# KiCad board FrontEnd_5G.kicad_pcb (continued)
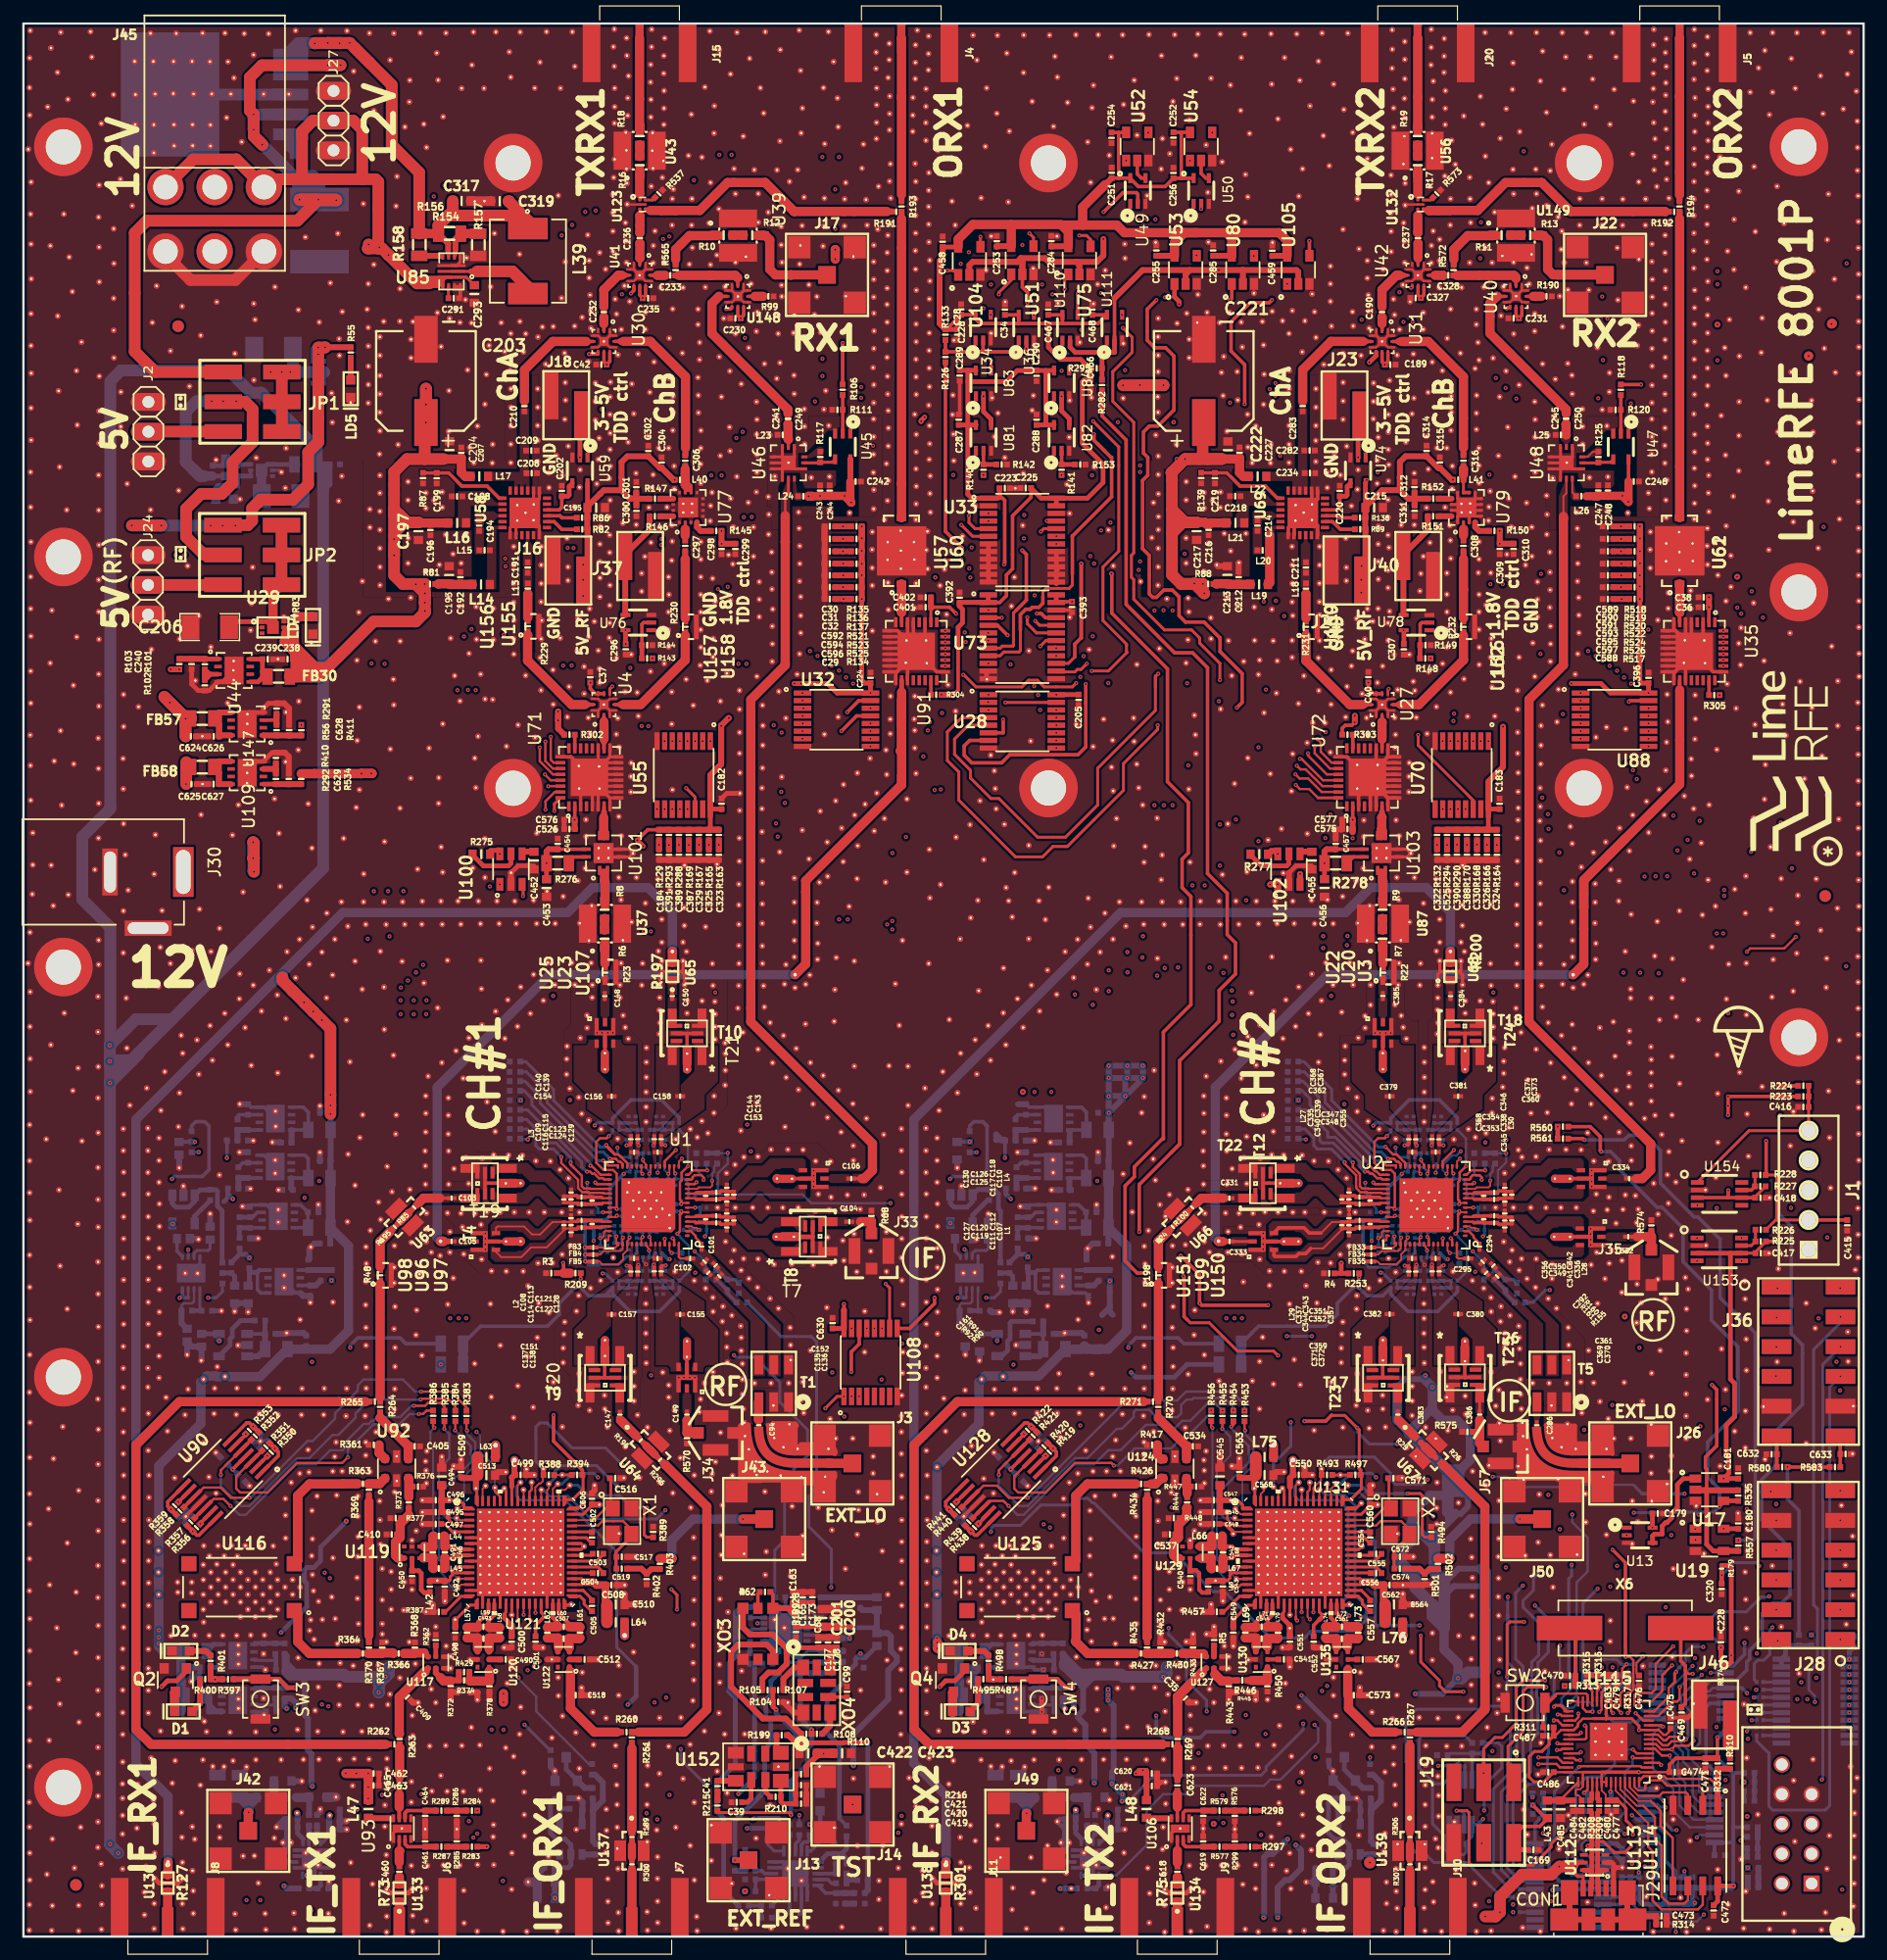
[diagram p0: board, top side]
## Routing (per net, layer and track width the routed paths; a pad name or vN(x,y) marks a point on that pad's centre or on a via; arc(x,y) is an arc through that point) (continued)
/LMS8001_RF/IN_B2_#1: length 1.3
  F.RO w0.3: C125.1 59.5,62.98 60,62.98 C110.1 L4.2
/LMS8001_RF/IN_B2_#2: length 1.3
  F.RO w0.3: C353.1 125.93,62.98 126.43,62.98 C338.1 L30.2
/LMS8001_RF/IN_B3_#1: length 1.3
  F.RO w0.3: C126.1 59.55,63.63 60.02,63.63 C110.2 L4.1
/LMS8001_RF/IN_B3_#2: length 1.3
  F.RO w0.3: C354.1 125.98,63.63 126.45,63.63 C338.2 L30.1
/LMS8001_RF/IN_C2_#1: length 1.3
  F.RO w0.3: C123.1 47.25,63.23 46.8,63.23 C109.1 46.75,63.18 46.16,63.18 L3.2
/LMS8001_RF/IN_C2_#2: length 1.3
  F.RO w0.3: C347.1 113.68,63.23 113.23,63.23 C335.1 113.18,63.18 112.58,63.18 L27.2
/LMS8001_RF/IN_C3_#1: length 1.3
  F.RO w0.3: 47.39,62.51 47.31,62.58 46.81,62.58 46.76,62.64 46.15,62.64
/LMS8001_RF/IN_C3_#2: length 1.3
  F.RO w0.3: C348.1 113.74,62.58 113.24,62.58 113.19,62.64 112.58,62.64
/LMS8001_RF/IN_D1_#2: length 1.7
  F.RO w0.25: C333.2 103.29,59.32 T13.2
/LMS8001_RF/IN_D2_#1: length 8.3
  F.RO w0.15: C108.1 46.75,60.98 45.18,60.98 44.12,59.92 43.43,59.92 42.75,60.6 40.47,60.6 40.36,60.49 T2.4
  F.RO w0.3: 47.39,61.11 47.3,61.03 46.8,61.03 C108.1
/LMS8001_RF/IN_D2_#2: length 7.9
  F.RO w0.15: 110.8,60.04 111.74,60.99 L29.2
  F.RO w0.3: C351.1 113.73,61.03 113.23,61.03 C337.1 113.18,60.99 112.58,60.99 L29.2 ; 110.8,60.04 109.8,60.04 109.35,60.49 107.2,60.49 106.79,60.08 106.79,60.03
/LMS8001_RF/IN_D3_#1: length 8.5
  F.RO w0.15: C108.2 46.3,60.44 44.69,58.82 43.35,58.82 42.52,57.99 40.79,57.99 40.36,58.43 T2.6
  F.RO w0.3: 47.39,60.51 47.25,60.38 46.81,60.38 C108.2
/LMS8001_RF/IN_D3_#2: length 8.7
  F.RO w0.15: 109.93,58.73 110.98,58.73 112.58,60.33 L29.1
  F.RO w0.3: 109.93,58.73 109.49,58.29 108.92,58.29 108.67,58.04 106.88,58.04 106.79,58.14 106.79,58.61 ; L29.1 112.58,60.43 113.18,60.43 C337.2 113.24,60.38 113.68,60.38 C352.1
/LMS8001_RF/OUT_A1_#2: length 1.6
  F.RO w0.25: T26.4 124.35,46.4 C386.1
/LMS8001_RF/OUT_A4_#1: length 0.9
  F.RO w0.2: v2(53.83,57.35) 53.86,57.32 C135.1
  B2.RO w0.2: v2(53.83,57.35) 53.68,57.2 L7.2
/LMS8001_RF/OUT_A4_#2: length 1
  F.RO w0.2: 120.41,59.11 120.41,59.01 ; C369.1 120.29,57.33 v2(120.27,57.35)
  B2.RO w0.2: v2(120.27,57.35) 120.12,57.2 L31.2
/LMS8001_RF/OUT_A5_#1: length 1.1
  F.RO w0.2: v2(54.84,57.28) 54.49,57.28 54.45,57.24 C136.1
  B2.RO w0.2: v2(54.84,57.28) 54.64,57.08 L11.2
/LMS8001_RF/OUT_A5_#2: length 1
  F.RO w0.2: C370.1 121.11,57.28 v2(121.28,57.28)
  B2.RO w0.2: v2(121.28,57.28) 121.08,57.08 L35.2
/LMS8001_RF/OUT_B4_#1: length 1.1
  F.RO w0.2: v2(54.81,67.53) 54.46,67.53 54.45,67.54 C143.1
  B2.RO w0.2: v2(54.81,67.53) 54.62,67.72 L5.2
/LMS8001_RF/OUT_B4_#2: length 1.2
  F.RO w0.2: v2(121.25,67.53) 120.83,67.53 120.87,67.57 C373.1
  B2.RO w0.2: v2(121.25,67.53) 121.06,67.72 L32.2
/LMS8001_RF/OUT_B5_#1: length 0.8
  F.RO w0.2: v2(53.8,67.53) 53.87,67.6 C144.1
  B2.RO w0.2: v2(53.8,67.53) 53.79,67.54 53.79,67.87 L9.2
/LMS8001_RF/OUT_B5_#2: length 0.8
  F.RO w0.2: C374.1 120.28,67.57 v2(120.24,67.53)
  B2.RO w0.2: v2(120.24,67.53) 120.23,67.54 120.23,67.87 L36.2
/LMS8001_RF/OUT_C4_#1: length 0.9
  F.RO w0.15: U1.24 U1.24
  F.RO w0.2: v2(52.53,67.52) 52.53,67.7 C139.1
  B2.RO w0.2: v2(52.53,67.52) 52.53,67.88 L6.2
/LMS8001_RF/OUT_C4_#2: length 0.8
  F.RO w0.2: v2(118.97,67.52) 118.88,67.61 C367.1
  B2.RO w0.2: v2(118.97,67.52) 118.97,67.79 118.96,67.79 118.96,67.87 L33.2
/LMS8001_RF/OUT_C5_#1: length 1.2
  F.RO w0.2: v2(51.5,67.52) 51.51,67.53 51.85,67.53 51.85,67.75 C140.1
  B2.RO w0.2: v2(51.5,67.52) 51.68,67.7 L10.2
/LMS8001_RF/OUT_C5_#2: length 1.1
  F.RO w0.2: v2(117.94,67.52) 117.95,67.53 118.25,67.53 118.3,67.58 C368.1
  B2.RO w0.2: v2(117.94,67.52) 118.12,67.7 L37.2
/LMS8001_RF/OUT_D4_#1: length 1.1
  F.RO w0.2: v2(51.51,57.26) 51.53,57.28 51.79,57.28 51.86,57.21 C137.1
  B2.RO w0.2: v2(51.51,57.26) 51.69,57.08 L8.2
/LMS8001_RF/OUT_D4_#2: length 1.1
  F.RO w0.2: C371.1 118.3,57.25 118.29,57.26 v2(117.95,57.26) ; 118.41,59.01 118.39,58.99
  B2.RO w0.2: v2(117.95,57.26) 118.13,57.08 L34.2
/LMS8001_RF/OUT_D5_#1: length 0.9
  F.RO w0.2: v2(52.51,57.33) 52.45,57.27 C138.1
  B2.RO w0.2: v2(52.51,57.33) 52.65,57.19 L12.2
/LMS8001_RF/OUT_D5_#2: length 0.9
  F.RO w0.2: C372.1 118.88,57.26 v2(118.95,57.33)
  B2.RO w0.2: v2(118.95,57.33) 119.09,57.19 L38.2
/LMS8001_RF/SD_AMP1_3V3: length 59.8
  F.RO w0.25: v2(68.47,45.09) 69.49,46.1 v2(70.06,46.1)
  F.FR4 w0.25: v2(55.17,12.09) 49.15,12.09 48.11,11.05 42.18,11.05 41.88,10.75 v2(38.75,10.75)
  B.FR4 w0.25: v2(55.17,12.09) 55.69,12.61 56.58,12.61 57.13,13.17 57.13,14.05 58.99,15.91 60.14,15.91 60.99,16.75 60.99,17.91 62.21,19.13 62.21,25.23 61.41,26.03 61.41,30.86 62.62,32.07 62.62,33.1 65.22,35.69 66.02,35.69 67.07,36.74 67.07,43.7 68.45,45.09 v2(68.47,45.09)
  B2.RO w0.25: 70.06,46.1 v2(70.06,46.1)
/LMS8001_RF/SD_AMP2_3V3: length 75.1
  F.RO w0.4: v2(105.78,10.75) R298.2
  F.FR4 w0.25: 87.12,8.79 85.88,7.55 82.69,7.55 81.54,8.7 80.71,8.7 79.47,9.94 76.83,9.94 76.47,10.3 v2(74.99,10.3)
  F.FR4 w0.3: 91.81,7.85 90.87,8.79 87.12,8.79
  F.FR4 w0.4: v2(105.68,8.68) 105.34,8.33 96.71,8.33 96.23,7.85 91.81,7.85
  B.FR4 w0.25: v2(74.99,10.3) 74.07,11.22 74.07,13.3 74.99,14.22 74.99,14.78 74.06,15.71 74.06,16.88 74.07,16.88 74.07,22.59 74.06,22.59 74.06,22.8 74.8,23.54 74.8,23.9 74.07,24.63 74.07,28.15 74.76,28.84 74.76,29.58 74.07,30.27 74.07,43.4 v2(71.36,46.1)
  B.FR4 w0.4: v2(105.78,10.75) 105.68,10.65 v2(105.68,8.68)
  B2.RO w0.25: 71.37,46.1 v2(71.36,46.1)
/LMS8001_RF/sheet6298A0DD/RF_IN: length 1.2
  F.RO w0.5: R75.1 98.54,4.48 C618.2 98.53,5.07
  F.RO w0.79: C618.2 98.53,5.07 R75.1
/LMS8001_RF/sheet6298A0DD/RF_OUT: length 5.4
  F.RO w0.5: R268.1 98.56,13.38 C623.1
  F.RO w0.79: 98.56,13.8 98.57,13.8 98.57,16.09 98.56,16.1
/LMS8001_RF/sheet62981941/RF_IN: length 0.6
  F.RO w0.5: 32.09,5.07 C460.2
  F.RO w0.79: R73.1 C460.2
/LMS8001_RF/sheet62981941/RF_OUT: length 3.4
  F.RO w0.5: C465.1 32.12,13.38 32.12,13.93 ; 32.12,16.11 R262.1
  F.RO w0.79: 32.12,16.13 32.12,13.67
/LMS98001_GPIO/CORE_LDO_EN_#1: length 14.3
  F.RO w0.2: v2(55.44,59.59) 55.56,59.47 U1.55
  F.RO w0.3: v2(46.09,57.49) 46.12,57.46 46.12,56.62
  F.RO w0.4: R3.2 46.12,56.62
  F.RO w0.79: 46.12,56.62 R209.1
  F.FR4 w0.2: v2(46.09,57.49) 46.1,57.49 47.29,58.68 47.29,59.86 47.93,60.5 53.89,60.5 54.4,59.99 55.04,59.99 v2(55.44,59.59)
/LMS98001_GPIO/CORE_LDO_EN_#2: length 14.3
  F.RO w0.2: v2(121.88,59.59) 122,59.47 U2.55
  F.RO w0.4: 112.52,56.6 112.52,57.46 v2(112.54,57.48) ; 112.52,56.6 R253.1 ; 112.52,56.6 R4.2
  F.FR4 w0.15: 120.22,60.51 120.93,60.51 121.44,60 121.56,60 121.88,59.68 v2(121.88,59.59)
  F.FR4 w0.2: 112.54,57.43 v2(112.54,57.48) 113.71,58.65 113.71,59.47 114.75,60.51 120.22,60.51
/LMS98001_GPIO/LMS_GPIO0_#1: length 15.2
  F.RO w0.2: 49.87,67.39 50.52,66.74 50.8,66.74 51.01,66.53 51.04,66.53 51.56,66.01 U1.26
  F.RO w0.25: 50.09,67.17 49.87,67.39 ; 50.09,67.17 50.5,66.75 ; 50.09,67.17 49.77,67.49 v2(49.77,67.55)
  B2.RO w0.25: 49.24,67.39 48.99,67.64 ; 49.24,67.39 49.61,67.39 v2(49.77,67.55) ; 49.24,67.39 48.99,67.64 ; 48.99,67.64 45.27,71.36 45.27,72.3 42.9,74.67 R250.2
/LMS98001_GPIO/LMS_GPIO0_#2: length 13.5
  F.RO w0.2: v2(116.31,67.39) 116.96,66.74 117.27,66.74 118,66.01 U2.26
  B2.RO w0.25: R281.2 109.34,74.67 111.71,72.3 111.71,71.36 115.68,67.39 v2(116.31,67.39)
/LMS98001_GPIO/LMS_GPIO1_#1: length 12.6
  F.RO w0.2: v2(50.08,66.38) 50.58,66.38 50.84,66.12 50.98,66.12 51.16,65.94 U1.27
  B2.RO w0.25: R249.2 42.94,73.8 44.72,72.02 44.72,71.17 48.95,66.94 49.52,66.94 v2(50.08,66.38)
/LMS98001_GPIO/LMS_GPIO1_#2: length 12.6
  F.RO w0.2: v2(116.52,66.38) 117.02,66.38 117.28,66.12 117.42,66.12 117.6,65.94 U2.27
  B2.RO w0.25: R280.2 109.38,73.8 111.16,72.02 111.16,71.18 114.64,67.7 114.64,67.69 115.39,66.94 115.96,66.94 v2(116.52,66.38)
/LMS98001_GPIO/LMS_GPIO2_#1: length 10.9
  F.RO w0.2: v2(48.41,65.78) 48.51,65.78 49.28,65.01 U1.29
  B2.RO w0.25: v2(48.41,65.78) 48.41,65.98 43.42,70.97 43.42,71.52 42.75,72.19 R248.2
/LMS98001_GPIO/LMS_GPIO2_#2: length 11
  F.RO w0.2: v2(114.85,65.78) 114.96,65.78 115.42,65.32 115.52,65.32 115.83,65.01 U2.29
  B2.RO w0.25: 109.43,71.95 109.86,71.52 109.86,70.97 114.85,65.98 v2(114.85,65.78) ; 109.43,71.95 109.44,71.94 ; 109.43,71.95 109.19,72.19 R279.2
/LMS98001_GPIO/LMS_GPIO3_#1: length 11.8
  F.RO w0.2: U1.28 U1.28 49.93,65.81 v2(49.52,66.22)
  B2.RO w0.2: v2(49.52,66.22) 49.51,66.23
  B2.RO w0.25: R247.2 42.82,73 44.14,71.68 44.14,71.11 49.03,66.22 v2(49.52,66.22)
/LMS98001_GPIO/LMS_GPIO3_#2: length 11.8
  F.RO w0.2: v2(115.96,66.22) 116.37,65.81 U2.28
  B2.RO w0.25: 110.79,70.9 110.73,70.96 110.74,70.95 ; 110.74,70.95 110.58,71.11 110.58,71.68 109.26,73 R274.2 ; 110.74,70.95 115.47,66.22 v2(115.96,66.22)
/LMS98001_GPIO/LMS_GPIO4_#1: length 13.5
  F.RO w0.15: 50.18,64.21 U1.31
  F.RO w0.2: v2(48.83,64.35) 48.97,64.21 U1.31
  F.FR4 w0.25: v2(42.46,71.37) 42.48,71.39 v2(46.67,71.39)
  B.FR4 w0.25: v2(46.67,71.39) 46.67,70.27 48.83,68.11 48.83,66.98 48.9,66.91 48.9,65.34 48.83,65.27 v2(48.83,64.35)
/LMS98001_GPIO/LMS_GPIO4_#2: length 13.2
  F.RO w0.2: v2(115.27,64.35) 115.41,64.21 U2.31
  F.FR4 w0.25: v2(108.87,71.38) 112.45,71.38 v2(112.79,71.03)
  B.FR4 w0.25: v2(112.79,71.03) 112.79,70.59 115.27,68.11 115.27,66.16 115.5,65.93 115.5,65.41 115.27,65.18 v2(115.27,64.35)
/LMS98001_GPIO/LMS_GPIO5_#1: length 10.5
  F.RO w0.2: v2(48.12,65.29) 48.38,65.29 48.56,65.11 48.76,65.11 49.16,64.71 49.49,64.71 49.59,64.61 U1.30
  B2.RO w0.25: R244.2 43.03,70.56 44.93,68.66 44.93,68.22 45.57,68.22 47.67,66.12 47.67,65.7 48.08,65.29 v2(48.12,65.29)
/LMS98001_GPIO/LMS_GPIO5_#2: length 10.5
  F.RO w0.2: U2.30 116.04,64.61 116.02,64.63 116.01,64.63 115.93,64.71 115.6,64.71 115.2,65.11 115,65.11 114.82,65.29 v2(114.56,65.29)
  B2.RO w0.25: v2(114.56,65.29) 114.52,65.29 114.11,65.7 114.11,66.12 112.01,68.22 111.37,68.22 111.37,68.66 109.47,70.56 R272.2
/LMS98001_GPIO/LMS_GPIO6_#1: length 11.7
  F.RO w0.2: 46.73,65.88 46.98,65.63 ; 46.73,65.88 v2(46.73,66.07) 46.73,65.88 ; 46.73,65.88 46.98,65.63 ; 46.98,65.63 47.68,64.93 47.68,64.04 47.88,63.84 48.39,63.84 48.42,63.81 U1.32
  B2.RO w0.25: v2(46.73,66.07) 46.74,66.08 46.74,66.46 45.47,67.73 44.45,67.73 44.25,67.93 44.25,68.45 42.96,69.74 R214.2
/LMS98001_GPIO/LMS_GPIO6_#2: length 11.1
  F.RO w0.2: v2(113.52,66.06) 113.52,65.67 114.12,65.07 114.12,64.04 114.32,63.84 114.83,63.84 114.86,63.81 U2.32
  B2.RO w0.25: 113.17,66.41 v2(113.52,66.06) ; 113.17,66.41 111.85,67.73 110.89,67.73 110.69,67.93 110.69,68.45 109.4,69.74 R258.2 ; 113.17,66.41 113.17,66.41
/LMS98001_GPIO/LMS_GPIO7_#1: length 11
  F.RO w0.2: 48,63.52 48.28,63.52 48.33,63.47 49.51,63.47 49.57,63.41 U1.33 ; 48,63.52 47.92,63.52 ; 48,63.52 47.73,63.52 47.36,63.89 47.36,64.58 45.93,66.01 v2(45.93,66.52)
  B2.RO w0.25: R213.2 43,68.92 43.75,68.17 43.75,67.51 44.05,67.21 45.25,67.21 45.93,66.53 v2(45.93,66.52)
/LMS98001_GPIO/LMS_GPIO7_#2: length 10.9
  F.RO w0.2: U2.33 116.01,63.41 115.95,63.47 114.77,63.47 114.72,63.52 114.17,63.52 113.8,63.89 113.8,64.97 112.82,65.95 v2(112.82,66.08)
  B2.RO w0.25: R257.2 109.44,68.92 110.19,68.17 110.19,67.51 110.49,67.21 111.69,67.21 v2(112.82,66.08)
/LMS98001_GPIO/LMS_GPIO8_#1: length 48.1
  F.RO w0.15: 55.96,65.91 U1.15 ; U1.15 U1.15 ; U1.15 55.96,66.13 v2(56.22,66.39)
  F.RO w0.25: v2(43.08,68.03) 43.06,68.03 v2(43.05,68.04)
  F.FR4 w0.25: 45.19,80.28 v2(45.23,80.28) 45.6,80.65 55.23,80.65 55.3,80.58 59.06,80.58 v2(59.07,80.57)
  B.FR4 w0.25: v2(59.07,80.57) 59.78,79.86 59.78,77.4 61.14,76.04 61.14,71.94 59.56,70.37 59.56,68.73 57.23,66.39 v2(56.22,66.39) ; 44.92,68.03 45.23,68.34 45.23,68.28 ; 45.23,68.28 44.98,68.03 v2(43.08,68.03) ; 45.23,68.28 v2(45.23,80.28)
  B2.RO w0.25: v2(43.05,68.04) 42.49,68.04 R212.2 42.5,68.03
/LMS98001_GPIO/LMS_GPIO8_#2: length 47.7
  F.RO w0.15: 122.41,65.72 122.41,65.81 ; v2(122.66,66.39) 122.42,66.15 122.42,65.83 U2.15
  F.FR4 w0.25: v2(125.51,80.57) 125.5,80.58 121.74,80.58 121.67,80.65 112.04,80.65 v2(111.67,80.28)
  B.FR4 w0.2: 127.58,74.62 127.58,71.14 ; v2(122.66,66.39) 123.73,66.39
  B.FR4 w0.25: 127.58,74.62 127.58,76.04 127.13,76.49 127.13,78.09 126.22,79 126.22,79.86 v2(125.51,80.57) ; 127.58,71.14 125.84,69.41 125.84,67.96 124.28,66.39 123.73,66.39 ; v2(111.67,80.28) 111.67,68.33 111.37,68.03 v2(109.51,68.03)
  B2.RO w0.25: v2(109.51,68.03) 109.5,68.04 108.92,68.04 R256.2
/RF/DA1_A/RF_in: length 2
  F.RO w0.79: L13.2 43.07,114.59 U156.2
/RF/DA1_A/RF_out: length 9.5
  F.RO w0.3: 48.05,136.13 U30.5
  F.RO w0.79: C210.2 42.78,133.7 45.21,136.13 48.05,136.13
/RF/DA1_A\da1_b_CTRL_3V3: length 37.2
  F.RO w0.3: v1(70.34,104.49) 71.33,105.48 U32.15
  F.FR4 w0.25: 76.79,104.43 76.8,104.42 v1(78.44,104.42)
  F.FR4 w0.3: 75.2,104.61 73.33,104.61 72.84,104.12 71.56,104.12 71.19,104.49 v1(70.34,104.49) ; 75.2,104.61 75.39,104.61 ; 75.2,104.61 76.61,104.61 76.79,104.43 ; v1(79.4,124.73) v1(81.98,124.73)
  B.FR4 w0.25: 80.13,112.5 80.13,113.29 78.95,114.47 78.95,115.49 79.4,115.94
  B.FR4 w0.3: 79.39,123.08 79.4,123.09 79.4,123.58 ; 79.4,123.58 v1(79.4,124.73) ; 79.4,123.58 79.4,115.94 ; v1(78.44,104.42) 77.5,105.36 77.5,106.79 78.41,107.7 79.29,107.7 79.74,108.15 79.74,112.11 80.13,112.5
/RF/DA1_A_EN_3V3: length 44.5
  F.RO w0.25: v1(83.29,140.15) 83.29,140.31 84.35,141.37 U51.1 ; 88.23,105.3 U28.15 88.19,105.32 v1(83.85,105.32)
  B.FR4 w0.25: v1(83.85,105.32) 84.52,105.32 85.34,106.14 85.34,110.15 85.54,110.35 85.54,111.74 85.18,112.1 85.18,115.23 85.41,115.46 85.41,116.92 83.39,118.94 83.39,122.06 82.68,122.77 82.68,124.97 82.28,125.37 82.28,130.01 83.32,131.05 83.32,131.82 83.29,131.85 v1(83.29,140.15)
/RF/DA1_A_ON\off_3V3: length 45.9
  F.RO w0.25: U51.4 86.25,145 v1(85.9,145.35)
  F.RO w0.3: v1(84.04,111.06) 84.03,111.06 83.18,111.91 U73.5
  F.FR4 w0.25: v1(85.43,119.32) 84.66,118.55 v1(80.97,118.55)
  B.FR4 w0.25: 83.18,125.41 83.18,125.08 ; 83.18,125.41 83.18,126.88 83.87,127.57 83.87,136.25 84.4,136.78 84.4,144.59 85.16,145.35 v1(85.9,145.35) ; 83.18,125.41 83.18,125.03 84.01,124.2 84.01,122.62 84.38,122.25 84.38,121.72 ; 84.38,121.72 84.38,121.65 ; 84.38,121.72 84.38,120.38 85.43,119.33 v1(85.43,119.32) ; v1(80.97,118.55) 81.32,118.55 83.35,116.52 83.35,115.23 83.69,114.89 83.69,113.32 84.04,112.97 v1(84.04,111.06)
/RF/DA1_A_ON\off_5V: length 74.5
  F.RO w0.25: v1(85.72,112.59) 85.72,112.04 86.51,111.25 U73.19
  F.RO w0.4: v1(47.52,126.23) 47.52,129.79 J18.2
  F.FR4 w0.3: 67.16,133.18 66.57,132.59 65.39,132.59 63.07,130.27 62.11,130.27 61.75,129.91 59.69,129.91 59.08,129.3 53.39,129.3 52.24,128.15 51.07,128.15 50.41,127.49 49.71,127.49 48.45,126.23 v1(47.52,126.23) ; 67.16,133.18 67.6,133.18 ; 67.16,133.18 v1(68.23,133.18) ; v1(86.16,134.59) 84.18,134.59 83.23,135.54 78.88,135.54 78.41,136.01 76.9,136.01 76.37,135.48 75.83,135.48 75.76,135.55 73.52,135.55 72.62,134.65 v1(68.23,134.65)
  B.FR4 w0.3: v1(68.23,133.18) v1(68.23,134.65) ; v1(86.16,134.59) 86.16,133.58 85.44,132.86 85.44,125.56 86.16,124.84 86.16,115.33 85.72,114.89 v1(85.72,112.59)
/RF/DA1_A_SEL: length 63.1
  F.RO w0.25: v1(50.28,106.69) 50.07,106.48 U4.7 ; v1(82.62,134.52) 82.63,134.51 U83.4
  F.FR4 w0.25: 76.98,134.52 76.25,133.79 73.31,133.79 72.77,133.25 71.95,133.25 71.31,133.89 65.4,133.89 65.06,133.55 63.64,133.55 60.77,130.68 49.69,130.68 v1(49.36,130.35) ; 76.98,134.52 76.99,134.53 77.01,134.53 ; 76.98,134.52 82.61,134.52 v1(82.62,134.52)
  B.FR4 w0.25: 49.69,125.81 49.51,125.62 49.51,120.93 49.91,120.53 49.91,120.15 49.41,119.65 49.41,119.39 49.87,118.93 49.87,118.74 49.54,118.41 49.54,117.83 49.86,117.51 49.86,117.24 49.47,116.85 49.47,116.46 49.79,116.14 49.79,115.8 49.52,115.53 49.52,115.09 49.78,114.83 49.78,114.11 49.46,113.79 49.46,110.42 49.89,109.99 49.89,108.9 50.28,108.51 v1(50.28,106.69) ; 49.69,125.81 49.7,125.81 ; 49.69,125.81 49.69,126.31 49.37,126.64 49.37,127.09 49.73,127.45 49.73,127.99 49.56,128.16 49.56,130.15 v1(49.36,130.35)
/RF/DA1_A_SELn: length 48.4
  F.RO w0.25: U30.7 49.07,135.01
  F.RO w0.3: v1(48.29,135.05) 48.92,135.05 U30.7
  F.RO w0.4: v1(81.98,131.45) 81.98,130.14 82.63,129.49 U81.4
  F.FR4 w0.3: v1(81.98,138.96) 81.97,138.95 77.01,138.95 76.42,138.36 75.83,138.36 75.66,138.53 73.52,138.53 72.67,137.68 70.14,137.68 67.37,134.91 62.56,134.91 62.01,134.36 60.03,134.36 59.4,133.73 57.55,133.73 57.11,134.17 55.01,134.17 54.31,133.47 53.68,133.47 52.88,134.27 50.52,134.27 49.75,135.04 48.3,135.04 v1(48.29,135.05)
  B.FR4 w0.3: v1(81.98,131.45) v1(81.98,138.96)
/RF/DA1_ATT_D0_3V3: length 28.8
  F.RO w0.25: v1(45.34,96.07) 45.34,96.67 U71.32
  F.RO w0.5: C323.2 v1(59.38,93.17) R163.1
  F.FR4 w0.25: v1(58.66,102.02) 58.66,100.84 56.49,98.67 55.13,98.67 53.14,96.68 45.95,96.68 v1(45.34,96.07)
  B.FR4 w0.25: v1(58.66,102.02) 60.49,100.19 60.49,94.2 59.38,93.09 v1(59.38,93.17)
  B.FR4 w0.3: v1(58.66,102.02) 58.66,102.02
/RF/DA1_ATT_D1_3V3: length 31.9
  F.RO w0.2: v1(44.58,96.18) 44.58,96.89 45.37,97.68 U71.31
  F.RO w0.5: C325.2 v1(58.53,93.17) R165.1
  F.FR4 w0.25: 48.78,97.33 51.07,97.33 51.31,97.09 52.47,97.09 54.5,99.12 56.03,99.12 58,101.09 v1(58,102.02) ; 48.78,97.33 47.4,97.33 ; 48.78,97.33 47.4,97.33 ; 47.4,97.33 47.24,97.49 45.28,97.49 44.58,96.79 v1(44.58,96.18)
  B.FR4 w0.2: 59.9,98.61 59.9,99.39 57.96,101.33 57.96,102.06
  B.FR4 w0.25: 59.9,98.61 59.9,94.54 v1(58.53,93.17) ; 57.96,102.06 v1(58,102.02)
  B.FR4 w0.3: v1(58,102.02) 58.01,102.02
/RF/DA1_ATT_D2_3V3: length 28.7
  F.RO w0.2: v1(44.81,98.17) 44.82,98.18 U71.30
  F.RO w0.5: C329.2 v1(57.68,93.17) R167.1
  F.FR4 w0.25: 48.36,98.57 48.31,98.57 ; 48.36,98.57 51.11,98.57 51.32,98.36 52.6,98.36 53.87,99.63 55.86,99.63 57.36,101.12 v1(57.36,102.02) ; 48.36,98.57 47.32,98.57 ; 47.32,98.57 46.93,98.18 U71.30 ; 47.32,98.57 46.92,98.17 v1(44.81,98.17)
  B.FR4 w0.2: 59.23,98.61 59.23,99.17 57.34,101.06 57.34,102.03
  B.FR4 w0.25: 59.23,98.61 59.23,94.72 v1(57.68,93.17) ; 57.34,102.03 v1(57.36,102.02)
  B.FR4 w0.3: v1(57.36,102.02) 57.36,102.02
/RF/DA1_ATT_D3_3V3: length 27
  F.RO w0.2: v1(44.53,99.18) 44.53,99.17 45.02,98.68 U71.29
  F.RO w0.5: C387.2 v1(56.82,93.16) R169.1
  F.FR4 w0.25: v1(56.7,102.02) 56.7,101.4 55.52,100.21 53.18,100.21 52.54,99.57 50.43,99.57 50.04,99.18 v1(44.53,99.18)
  B.FR4 w0.2: 58.37,99.01 56.71,100.67 56.71,102.02 ; 58.37,99.01 58.72,98.66 ; 58.37,99.01 58.72,98.66 ; 58.72,98.66 58.72,97.81
  B.FR4 w0.25: 58.72,97.81 58.72,95.06 v1(56.82,93.16) ; 56.71,102.02 v1(56.7,102.02)
  B.FR4 w0.3: v1(56.7,102.02) 56.71,102.02
/RF/DA1_ATT_D4_3V3: length 28.7
  F.RO w0.2: v1(44.09,101.48) 44.09,100.31 45.22,99.18 U71.28
  F.RO w0.5: C389.2 v1(55.97,93.17) R288.1
  F.FR4 w0.2: 53.75,100.82 53.75,100.81 53.76,100.82 55.32,100.82 56.08,101.58 56.08,102.05
  F.FR4 w0.25: 53.75,100.82 51.8,100.82 51.28,100.3 50.4,100.3 50.23,100.47 45.73,100.47 45.27,100.93 44.64,100.93 v1(44.09,101.48) ; v1(56.05,102.02) 56.08,102.05
  B.FR4 w0.2: 53.54,98.09 53.54,98.76 56.09,101.31 56.09,102.06
  B.FR4 w0.25: 53.54,98.09 53.54,95.6 v1(55.97,93.17) ; 56.09,102.06 v1(56.05,102.02)
  B.FR4 w0.3: v1(56.05,102.02) 56.06,102.02
/RF/DA1_ATT_D5_3V3: length 26.8
  F.RO w0.2: v1(44.57,101.98) 44.57,100.32 45.21,99.68 U71.27
  F.RO w0.5: R293.1 v1(55.12,93.16) C391.2
  F.FR4 w0.2: 53.66,101.39 53.66,101.39 55.16,101.39 55.44,101.67 55.44,102.06
  F.FR4 w0.25: v1(44.57,101.98) 44.99,101.56 47.66,101.56 48.2,101.02 51.33,101.02 51.7,101.39 53.66,101.39 ; 55.44,102.06 v1(55.41,102.02)
  B.FR4 w0.2: 53.04,98.67 53.04,99.15 55.44,101.55 55.44,102.06
  B.FR4 w0.25: 53.04,98.67 53.04,95.24 v1(55.12,93.16) ; 55.44,102.06 v1(55.41,102.02)
  B.FR4 w0.3: v1(55.41,102.02) 55.41,102.02
/RF/DA1_ATT_D6_3V3: length 24.1
  F.RO w0.2: v1(45.03,102.39) 45.03,100.43 45.28,100.18 U71.26
  F.RO w0.5: C184.2 v1(54.27,93.17) R129.1
  F.FR4 w0.25: v1(45.03,102.39) 45.04,102.38 47.65,102.38 48.01,102.02 v1(54.75,102.02)
  B.FR4 w0.25: v1(54.75,102.02) 52.52,99.78 52.52,94.92 v1(54.27,93.17)
  B.FR4 w0.3: v1(54.75,102.02) 54.76,102.02
/RF/DA1_B/RF_IN: length 5.7
  F.RO w0.5: 56.51,117.54 C297.2
  F.RO w0.79: 56.51,117.54 56.52,117.53 U158.2
/RF/DA1_B/RF_OUT: length 17.5
  F.RO w0.3: 50.52,136.13 50.97,136.13 ; 56.53,126.42 C306.1
  F.RO w0.5: 51.25,136.13 50.97,136.13 50.97,136.15 53.52,136.15 53.86,135.8 53.53,136.13 ; 56.53,126.42 56.53,127.06
  F.RO w0.79: 51.25,136.13 53.53,136.13 56.53,133.12 56.53,127.06
/RF/DA1_B_EN_3V3: length 43.1
  F.RO w0.25: v1(88.91,140.6) 88.91,141.54 U75.1
  F.FR4 w0.25: 82.39,105.97 82.4,105.96 v1(86.64,105.96)
  B.FR4 w0.25: 88.7,128.21 88.7,128.88 88.14,129.44 88.14,134.62 89.16,135.64 89.16,140.35 v1(88.91,140.6) ; 88.7,128.21 88.7,128 ; 88.7,128.21 88.7,125.97 88.66,125.97 88.06,125.37 88.06,124.15 89.02,123.19 89.02,122.67 88.67,122.32 88.67,120.95 87.67,119.95 87.67,113.75 87.26,113.34 87.26,111.3 87.49,111.07 87.49,106.81
  B.FR4 w0.3: 87.49,106.81 v1(86.64,105.96)
  vias: v1(82.4,105.98)
/RF/DA1_B_ON\off_3V3: length 59.6
  F.RO w0.25: v1(90.16,145.17) 90.78,145.17 91.12,144.83 U75.4 ; v1(80.25,107.67) 80.28,107.7 81.33,106.65 85.26,106.65 85.83,107.22 86.58,107.22 87.15,106.65 89.57,106.65 v1(89.89,106.97)
  F.FR4 w0.25: v1(80.46,110.48) 81.23,111.25 v1(82.39,111.25)
  B.FR4 w0.25: 89.92,134.8 89.96,134.76 89.69,135.03 89.69,135.07 ; 89.92,127.77 89.92,127.4 ; 89.92,127.77 89.92,130.84 89.98,130.9 89.98,134.78 89.69,135.07 ; 89.92,127.77 89.92,125.85 89.69,125.62 89.69,123.6 ; 89.69,123.6 89.69,123.09 89.67,123.07 ; 89.69,123.6 89.69,122.5 89.95,122.24 89.95,120.46 89.69,120.2 89.69,116.42 88.71,115.44 88.71,112.12 89.21,111.62 89.21,107.21 89.45,106.97 v1(89.89,106.97) ; v1(80.25,107.67) 80.25,110.27 v1(80.46,110.48) ; 89.69,135.07 89.69,138.61 90.97,139.89 90.97,140.96 90.16,141.77 v1(90.16,145.17) ; v1(82.39,111.25) 82.39,111.25
/RF/DA1_B_ON\off_5V: length 41.8
  F.RO w0.25: v1(86.83,110.12) 87.32,110.61 U73.18
  F.RO w0.3: 53.71,109.08 v1(53.71,109.09)
  F.FR4 w0.25: 84.84,107.11 84.47,106.74 82.05,106.74 80.58,105.27 79.05,105.27
  F.FR4 w0.3: 53.71,109.08 54.27,109.08 54.55,109.36 55.73,109.36 57.14,107.95 58.98,107.95 60.52,109.49 64.93,109.49 65.85,108.57 67.85,108.57 71.05,105.37 73.72,105.37 73.82,105.27 79.05,105.27 ; 84.84,107.11 85.91,107.11 v1(86.31,106.71)
  B.FR4 w0.25: 86.41,109.68 86.83,110.1 v1(86.83,110.12)
  B.FR4 w0.3: v1(86.31,106.71) 86.41,106.81 86.41,109.68
/RF/DA1_CPL_OUT: length 28.5
  F.RO w0.25: 54.44,147.31 54.46,147.31 ; 53.22,147.31 53.55,147.31 53.42,147.44 U123.4 53.22,147.31
  F.RO w0.5: 73.73,147.22 74.21,147.22 74.23,147.2
  F.RO w0.79: 55.74,147.31 57.75,147.31 60.13,149.69 63.34,149.69 ; 55.74,147.31 54.46,147.31 ; 55.74,147.31 53.55,147.31 ; 65.81,147.22 63.34,149.69 ; 65.81,147.22 63.34,149.69 ; 65.81,147.22 73.73,147.22
/RF/DA2_A/RF_in: length 2.1
  F.RO w0.79: L18.2 109.52,114.59 U160.2
/RF/DA2_A/RF_out: length 15.6
  F.RO w0.3: 114.64,136.13 114.64,136.12 U31.5
  F.RO w0.5: 111.65,136.13 109.23,133.72 C283.2 ; 114.37,136.13 114.64,136.13
  F.RO w0.79: C283.2 109.23,133.72 111.65,136.13 114.37,136.13
/RF/DA2_A\da2_b_CTRL_3V3: length 73.3
  F.RO w0.3: v1(137.09,105.39) 137.18,105.48 U88.15
  F.FR4 w0.3: 131.55,109.47 132.4,108.62 133.21,108.62 136.44,105.39 v1(137.09,105.39) ; 131.55,109.47 130.47,109.47 ; 131.55,109.47 v1(129.54,109.47) ; 129.48,109.47 130.18,109.47 ; 130.18,109.47 130.47,109.47 ; 130.18,109.47 130.47,109.47 ; v1(91.25,124.71) 91.23,124.69 88.69,124.69 v1(88.65,124.73) ; v1(91.1,117.81) 91.1,117.85 91.86,118.61 93.32,118.61 94.24,119.53 95.2,119.53 96.31,120.64 106.36,120.64 107.42,119.58 111.31,119.58 112.85,118.04 116.13,118.04 117.17,117 124.81,117 124.87,117.06 126.33,117.06 127.1,116.29 v1(129.59,116.29)
  B.FR4 w0.3: v1(137.09,105.39) 137.08,105.39 ; v1(129.54,109.47) 129.58,109.51 129.58,109.59 ; v1(129.54,109.47) 129.54,110.76 ; v1(129.54,109.47) 129.54,110.76 ; 129.54,110.76 129.52,110.78 ; 129.54,110.76 129.52,110.78 ; 129.52,110.78 129.52,111.96 129.97,112.41 129.97,112.87 129.74,113.1 129.74,113.81 129.94,114 ; 129.94,114 129.97,114.04 ; 129.94,114 129.94,114.52 129.85,114.6 129.85,115.29 ; 129.85,115.29 129.85,115.26 ; 129.85,115.29 129.85,116.05 129.61,116.29 v1(129.59,116.29) ; v1(91.25,124.71) 91.14,124.6 91.14,117.85 v1(91.1,117.81)
/RF/DA2_A_EN_3V3: length 51.7
  F.RO w0.3: v1(82.38,105.35) U28.2
  F.RO w0.4: U53.1 98.29,139.95 98.28,139.94 98.69,139.53 v1(98.69,139.31)
  B.FR4 w0.25: 98.68,133.88 99.16,133.4 99.16,128.86 97.59,127.29 97.59,115.02 97.05,114.48 ; 97.05,114.48 97.03,114.46 ; 97.05,114.48 95.94,114.48 94.72,113.26 94.72,109.17 ; 94.72,109.17 94.72,109.1 ; 94.72,109.17 94.72,109.1 ; 94.72,109.1 94.37,108.75 94.37,107.38 ; 86.57,105.31 85.68,104.42 83.58,104.42 82.69,105.31
  B.FR4 w0.3: 86.57,105.31 88.68,105.31 88.87,105.5 93.62,105.5 94.37,106.25 94.37,107.38 ; v1(82.38,105.35) 82.42,105.31 82.69,105.31
  B.FR4 w0.4: 98.68,133.88 98.68,136.75 99.32,137.39 99.32,137.7 98.55,138.47 98.55,139.17 v1(98.69,139.31)
/RF/DA2_A_ON\off_3V3: length 52.8
  F.RO w0.3: v1(100.17,143.47) 100.19,143.45 U53.4
  F.FR4 w0.25: v1(82.39,110.61) 83.24,109.75 84.92,109.75 85.83,110.66 87.01,110.66 ; 87.41,111.06 91.22,111.06 v1(91.31,110.97)
  F.FR4 w0.3: 87.41,111.06 87.01,110.66 ; v1(91.43,117.18) 92.13,117.88 93.55,117.88 94.33,118.66 95.55,118.66 96.37,117.84 98,117.84 98.18,118.02 98.19,118.01 v1(99.16,118.01)